# Altium PCB PCB3.PcbDoc (part 4 of 5)
Units mil, origin at the board's own origin, x right, y up, seen from the top; angles counter-clockwise.
Board outline 9836.17 x 5490 mil, 4 copper layers (Top Layer, Int1 (GND), Int2 (PWR), Bottom Layer), stack 53.912 mil thick; 236 components, 108 nets, 2793 pads, 569 vias.
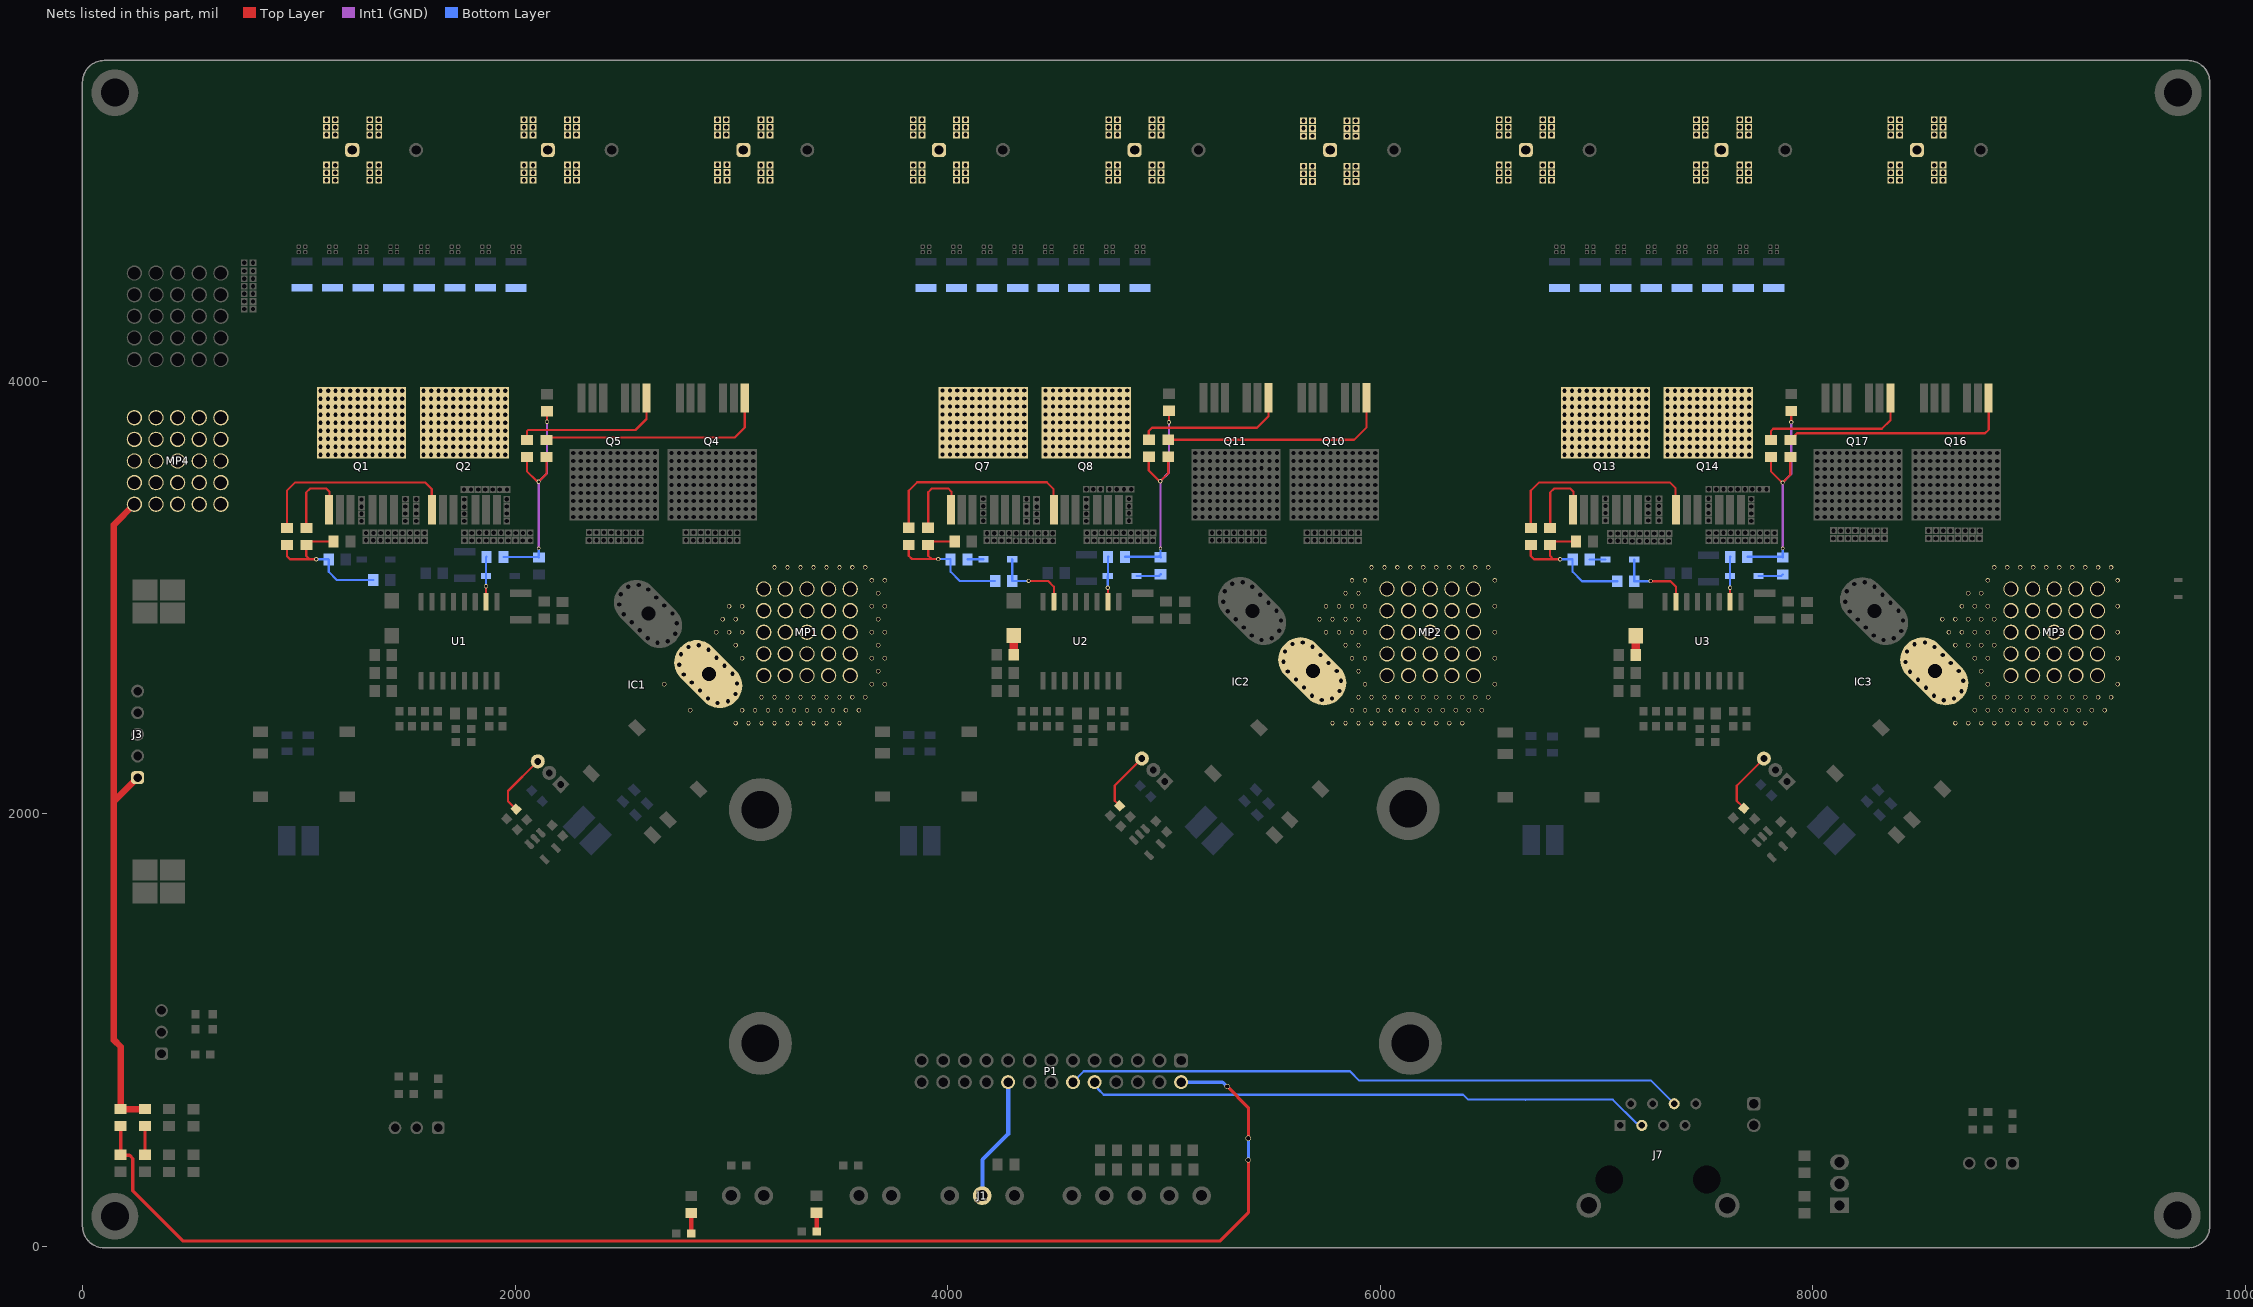
[diagram p6: the nets of this part, all layers, seen from the top]

## Via types
v1: diameter 20, hole 15, Top Layer to Bottom Layer, tented both sides, 212 vias
v2: diameter 19.68, hole 11.81, Top Layer to Bottom Layer, tented both sides, 183 vias
v3: diameter 19.68, hole 10, Top Layer to Bottom Layer, tented both sides, 59 vias
v4: diameter 25, hole 20, Top Layer to Bottom Layer, tented both sides, 48 vias
v5: diameter 23.62, hole 15.75, Top Layer to Bottom Layer, tented both sides, 32 vias
v6: diameter 30, hole 25, Top Layer to Bottom Layer, tented both sides, 24 vias
v7: diameter 30, hole 20, Top Layer to Bottom Layer, tented both sides, 4 vias
v8: diameter 15, hole 10, Top Layer to Bottom Layer, tented both sides, 3 vias
v9: diameter 19.68, hole 19.68, Top Layer to Bottom Layer, tented both sides, 2 vias
v10: diameter 40, hole 28, Top Layer to Bottom Layer, tented both sides, 1 vias
v11: diameter 40, hole 30, Top Layer to Bottom Layer, tented both sides, 1 vias

## Nets (pads, with @x,y where several pads share a name; then routed paths per layer and width w, separated by ;. In a path a pad name is that pad's centre, name@x,y a point inside that pad or via, vN(x,y) a via of type N, cw(c..) or ccw(c..) an arc to the next point about the centre after c; other vN are vias at no path point) (continued)
NetD4_C: D4.C R9.1 U1.10 | length 208.7
  Top Layer w10: v2(1866,3053) 1866,2981.45 U1.10@1866.23,2981.22
  Bottom Layer w10: v2(1866,3053) 1866,3099.86 D4.C@1865.86,3100 1865.86,3187.23 R9.1@1867.63,3189
NetD6_A: D6.A R16.1 | length 89
  Top Layer w40: D6.A@4305.5,2824.79 4305.66,2824.63 4305.66,2736.12 R16.1@4305.82,2735.96
NetD8_A: D8.A R22.1 | length 73.5
  Bottom Layer w10: R22.1@4092.87,3177.5 D8.A@4166.36,3177.5
NetD8_C: D8.C R20.1 U2.15 | length 374.8
  Top Layer w10: v2(4374.5,3077.5) 4465.5,3077.5 4491.73,3051.27 U2.15@4491.73,2981.72
  Bottom Layer w10: D8.C@4298.64,3177.5 4298.87,3177.27 R20.1@4298.87,3076.5 4373.5,3076.5 v2(4374.5,3077.5)
NetD9_A: D9.A R25.1 | length 115
  Bottom Layer w10: D9.A@4873.64,3100.5 4977.87,3100.5 R25.1@4985.5,3108.13
NetD9_C: D9.C R24.1 U2.10 | length 209
  Top Layer w10: v2(4741,3046) 4741.37,3045.63 4741.37,2982.09 U2.10@4741.73,2981.72
  Bottom Layer w10: v2(4741,3046) 4741,3100.14 D9.C@4741.36,3100.5 R24.1@4741.36,3187.73 R24.1@4743.13,3189.5
NetD11_A: D11.A R31.1 | length 89
  Top Layer w40: D11.A@7181.72,2824.29 7181.89,2824.13 7181.89,2735.62 R31.1@7182.05,2735.46
NetD13_A: D13.A R37.1 | length 73.5
  Bottom Layer w10: R37.1@6969.09,3177 D13.A@7042.58,3177
NetD13_C: D13.C R35.1 U3.15 | length 374.4
  Top Layer w10: v2@7250.72,3076 7342.72,3076 7367.96,3050.77 U3.15@7367.96,2981.22
  Bottom Layer w10: D13.C@7174.87,3177 7175.09,3176.77 R35.1@7175.09,3076 7249.72,3076 v2(7250.72,3077)
NetD14_A: D14.A R40.1 | length 115
  Bottom Layer w10: D14.A@7749.87,3100 7854.09,3100 R40.1@7861.72,3107.63
NetD14_C: D14.C R39.1 U3.10 | length 208.7
  Top Layer w10: U3.10@7617.96,2981.22 v2(7618,3046)
  Bottom Layer w10: v2(7618,3046) 7618,3099.58 D14.C@7617.58,3100 7617.58,3187.23 R39.1@7619.35,3189
NetJ7_3: J7.3 P1.10 | length 2623.1
  Bottom Layer w10: P1.10@4680,760 4680,745.13 4695.57,729.55 4695.57,728.43 4722,702 6384,702 6407,679 6672.5,679 ; 6672,678 6673,679 7076,679 7183.71,571.29 7187.51,571.29 7198.79,560 J7.3@7210,560
NetJ7_6: J7.6 P1.12 | length 2862.8
  Bottom Layer w10: P1.12@4580,760 4630,810 5861,810 5904,767 7253,767 J7.6@7360,660
NetLED1_1: LED1.1 R28.2 | length 86.3
  Top Layer w20: R28.2@3395,70 LED1.1@3395,156.26
NetLED2_1: LED2.1 R43.2 | length 95
  Top Layer w20: R43.2@2815,60 LED2.1@2815,155
NetPVDD_1: PVDD.1 R87.2 | length 132.9
  Top Layer w15: PVDD.1@288.7,423.96 R87.2@288.7,556.9
NetQ1_1: Q1.1 R46.2 | length 368.6
  Top Layer w10: R46.2@1035,3322.37 1035,3487 1053,3505 1127,3505 1142.27,3489.73 Q1.1@1142.27,3406.84
NetQ2_1: Q2.1 R47.2 | length 966.3
  Top Layer w10: R47.2@945.14,3322.37 945.14,3494.14 984,3533 1584,3533 1614.84,3502.16 1614.84,3408.48 Q2.1@1616.48,3406.84
NetQ4_1: Q4.1 R52.2 | length 1077.1
  Top Layer w10: R52.2@2145,3729.37 2155.63,3740 3015,3740 3062.27,3787.27 Q4.1@3062.27,3923.15
NetQ5_1: Q5.1 R53.2 | length 713.5
  Top Layer w10: R53.2@2055,3729.37 2055,3769.14 2060.86,3775 2557,3775 2608.11,3826.11 Q5.1@2608.11,3923.15
NetQ7_1: Q7.1 R59.2 | length 368.6
  Top Layer w10: R59.2@3910.5,3322.87 3910.5,3487.5 3928.5,3505.5 4002.5,3505.5 4017.77,3490.23 Q7.1@4017.77,3407.34
NetQ8_1: Q8.1 R60.2 | length 965.7
  Top Layer w10: R60.2@3820.64,3322.87 3820.64,3494.64 3859.5,3533.5 4458.5,3533.5 4490.34,3501.66 4490.34,3408.98 Q8.1@4491.98,3407.34
NetQ10_1: Q10.1 R65.2 | length 1077.1
  Top Layer w10: R65.2@5020.5,3729.87 5879.87,3729.87 5937.77,3787.77 Q10.1@5937.77,3923.65
NetQ11_1: Q11.1 R66.2 | length 707
  Top Layer w10: R66.2@4930.5,3729.87 4930.5,3770.5 4945.5,3785.5 5430.5,3785.5 5483.61,3838.61 Q11.1@5483.61,3923.65
NetQ13_1: Q13.1 R72.2 | length 368.6
  Top Layer w10: R72.2@6786.72,3322.37 6786.72,3487 6804.72,3505 6878.72,3505 6894,3489.73 Q13.1@6894,3406.84
NetQ14_1: Q14.1 R73.2 | length 968.3
  Top Layer w10: R73.2@6696.87,3322.37 6696.87,3494.14 6735.72,3533 7339,3533 7366.57,3505.43 7366.57,3408.48 Q14.1@7368.2,3406.84
NetQ16_1: Q16.1 R78.2 | length 1085.5
  Top Layer w10: R78.2@7896.72,3729.37 7900.66,3729.37 7919.28,3747.99 7919.28,3751.93 7927.35,3760 8797,3760 8814,3777 Q16.1@8814,3923.15
NetQ17_1: Q17.1 R79.2 | length 717.1
  Top Layer w10: R79.2@7806.72,3729.37 7806.72,3770 7817.72,3781 8320,3781 8359.83,3820.83 Q17.1@8359.83,3923.15
NetR58_1: IC1.3 R58.1 | length 293
  Top Layer w10: R58.1@2004.79,2022.21 1968,2059 1968,2105.9 IC1.3@2105.26,2243.16
NetR71_1: IC2.3 R71.1 | length 283.1
  Top Layer w10: R71.1@4797.7,2035.53 4772.91,2060.32 4772.91,2131.22 IC2.3@4898.16,2256.47
NetR84_1: IC3.3 R84.1 | length 283.1
  Top Layer w10: R84.1@7673.92,2035.03 7649.13,2059.82 7649.13,2130.72 IC3.3@7774.39,2255.97
PHASE_A: IC1.4 MP1.1
  other v1: 3020,2420 3080,2420 3140,2420 3200,2420 3260,2420 3320,2420 3380,2420 3440,2420 3500,2420 2810,2480 3050,2480 3110,2480 3170,2480 3230,2480 3290,2480 3350,2480 3410,2480 3470,2480 3530,2480 3590,2480 3140,2540 3200,2540 3260,2540 3320,2540 3380,2540 3440,2540 3500,2540 3560,2540 3620,2540 2690,2600 3650,2600 3710,2600 3680,2660 3050,2720 3650,2720 3710,2720 3020,2780 3680,2780 2930,2840 2990,2840 3050,2840 3650,2840 3710,2840 2960,2900 3020,2900 3680,2900 2990,2960 3050,2960 3650,2960 3710,2960 3680,3020 3650,3080 3710,3080 3200,3140 3260,3140 3320,3140 3380,3140 3440,3140 3500,3140 3560,3140 3620,3140
Phase_A_H: R4.2 R5.2 R7.2 R46.1 R47.1 | length 733.9
  Top Layer w10: R47.1@945.14,3243.63 945,3243.49 945,3193 960,3178 1050,3178 ; v2(1081,3178) 1050,3178 ; R4.2@1160.63,3259 1050.37,3259 R46.1@1035,3243.63 1035,3193 1050,3178
  Bottom Layer w10: v2(1081,3178) 1137.63,3178 R7.2@1138.63,3177 1138.63,3119.37 1176,3082 R5.2@1344.63,3082
Phase_A_L: R9.2 R10.2 R11.1 R52.1 R53.1 | length 1119.4
  Top Layer w10: R53.1@2055,3650.63 2055,3585 2099.16,3540.84 2101.54,3540.84 2106.38,3536 v2(2109,3536) 2145,3572 R52.1@2145,3650.63 ; v2(2148,3813) R11.1@2148,3862.26
  Int1 (GND) w10: v8(2110,3228) 2109.5,3228.5 2109.5,3535.5 v2(2109,3536) 2148,3575 v2(2148,3813)
  Bottom Layer w10: R9.2@1946.88,3188.49 2107.88,3188.49 R10.2@2110,3186.37 ; R10.2@2110,3192.86 v8(2110,3228)
PHASE_B: IC2.4 MP2.1
  other v1: 5780,2420 5840,2420 5900,2420 5960,2420 6020,2420 6080,2420 6140,2420 6200,2420 6260,2420 6320,2420 6380,2420 5870,2480 5930,2480 5990,2480 6050,2480 6110,2480 6170,2480 6230,2480 6290,2480 6350,2480 6410,2480 6470,2480 5900,2540 5960,2540 6020,2540 6080,2540 6140,2540 6200,2540 6260,2540 6320,2540 6380,2540 6440,2540 6500,2540 5930,2600 6530,2600 5900,2660 5870,2720 5930,2720 6530,2720 5840,2780 5900,2780 5750,2840 5810,2840 5870,2840 5930,2840 6530,2840 5720,2900 5780,2900 5840,2900 5900,2900 5750,2960 5810,2960 5870,2960 5930,2960 6530,2960 5840,3020 5900,3020 5870,3080 5930,3080 6530,3080 5960,3140 6020,3140 6080,3140 6140,3140 6200,3140 6260,3140 6320,3140 6380,3140 6440,3140 6500,3140
Phase_B_H: R19.2 R20.2 R22.2 R59.1 R60.1 | length 733.9
  Top Layer w10: R60.1@3820.64,3244.13 3820.5,3243.99 3820.5,3193.5 3835.5,3178.5 3925.5,3178.5 ; v2(3956.5,3178.5) 3925.5,3178.5 ; R19.2@4033.63,3259.5 3925.87,3259.5 R59.1@3910.5,3244.13 3910.5,3193.5 3925.5,3178.5
  Bottom Layer w10: v2(3956.5,3178.5) 4013.13,3178.5 R22.2@4014.13,3177.5 4014.13,3119.87 4057.5,3076.5 R20.2@4220.13,3076.5
Phase_B_L: R24.2 R25.2 R26.1 R65.1 R66.1 | length 1126.7
  Top Layer w10: R66.1@4930.5,3651.13 4930.5,3587.88 4980.38,3538 v2(4983,3538) 5020.5,3575.5 R65.1@5020.5,3651.13 ; v2(5023.64,3811.37) 5023.64,3864.27 R26.1@5024,3864.63
  Int1 (GND) w10: v8(4985,3228) 4984.04,3228.96 4984.04,3536.96 v2(4983,3538) 5023.64,3578.64 v2(5023.64,3811.37)
  Bottom Layer w10: R24.2@4821.87,3189.5 R25.2@4978.5,3189.5 ; R25.2@4979,3193.37 R25.2@4985.5,3186.87 4985,3187.37 v8(4985,3228)
PHASE_C: IC3.4 MP3.1
  other v1: 8660,2420 8720,2420 8780,2420 8840,2420 8900,2420 8960,2420 9020,2420 9080,2420 9140,2420 9200,2420 9260,2420 8750,2480 8810,2480 8870,2480 8930,2480 8990,2480 9050,2480 9110,2480 9170,2480 9230,2480 9290,2480 9350,2480 8780,2540 8840,2540 8900,2540 8960,2540 9020,2540 9080,2540 9140,2540 9200,2540 9260,2540 9320,2540 9380,2540 8810,2600 9410,2600 8780,2660 8750,2720 8810,2720 9410,2720 8660,2780 8720,2780 8780,2780 8840,2780 8630,2840 8690,2840 8750,2840 8810,2840 9410,2840 8600,2900 8660,2900 8720,2900 8780,2900 8840,2900 8690,2960 8750,2960 8810,2960 9410,2960 8720,3020 8780,3020 8810,3080 9410,3080 8840,3140 8900,3140 8960,3140 9020,3140 9080,3140 9140,3140 9200,3140 9260,3140 9320,3140 9380,3140
Phase_C_H: R34.2 R35.2 R37.2 R72.1 R73.1 | length 714.4
  Top Layer w10: R73.1@6696.87,3243.63 6696.72,3243.49 6696.72,3193 6711.72,3178 6801,3178 ; R72.1@6786,3243.63 6786,3193 6801,3178 ; R72.1@6786.72,3243.63 6802.09,3259 R34.2@6890.35,3259 ; v2(6832,3178) 6801.72,3178 6801,3178
  Bottom Layer w10: v2(6832,3178) 6889.35,3178 R37.2@6890.35,3177 6890.35,3119.37 6933.72,3076 R35.2@7096.35,3076
Phase_C_L: R39.2 R40.2 R41.1 R78.1 R79.1 | length 1129.6
  Top Layer w10: R79.1@7806.72,3650.63 7806.72,3585 7859.72,3532 v2(7861,3532) 7896.72,3567.72 R78.1@7896.72,3650.63 ; v2(7901,3812) R41.1@7901,3862.63
  Int1 (GND) w10: v8(7862,3228) 7861.5,3228.5 7861.5,3531.5 v2(7861,3532) 7901,3572 v2(7901,3812)
  Bottom Layer w10: R39.2@7698.09,3189 R40.2@7859.09,3189 ; R40.2@7861.72,3186.37 7862,3186.65 v8(7862,3228)
PVDD: C31.1 C32.1 C37.1 C43.1 C44.1 C45.1 C46.1 C47.1 C48.1 C49.1 C50.1 C53.1 C54.1 C55.1 C56.1 C57.1 C58.1 C59.1 C60.1 C63.1 C64.1 C65.1 C66.1 C67.1 C68.1 C69.1 C70.1 C79.1 C80.1 C81.1 C82.1 C83.1 C84.1 J3.5 MP4.1 pad.3@1101,3661 pad.3@1101,3698 pad.3@1101,3735 pad.3@1101,3772 pad.3@1101,3809 pad.3@1101,3846 pad.3@1101,3883 pad.3@1101,3920 pad.3@1128,4930 pad.3@1128,4965 pad.3@1128,5000 pad.3@1128,5140 pad.3@1128,5175 pad.3@1128,5210 pad.3@1135.36,3661 pad.3@1135.36,3698 pad.3@1135.36,3735 pad.3@1135.36,3772 pad.3@1135.36,3809 pad.3@1135.36,3846 pad.3@1135.36,3883 pad.3@1135.36,3920 pad.3@1136,3957 pad.3@1169,4930 pad.3@1169,4965 pad.3@1169,5000 pad.3@1169,5140 pad.3@1169,5175 pad.3@1169,5210 pad.3@1169.73,3661 pad.3@1169.73,3698 pad.3@1169.73,3735 pad.3@1169.73,3772 pad.3@1169.73,3809 pad.3@1169.73,3846 pad.3@1169.73,3883 pad.3@1169.73,3920 pad.3@1169.73,3957 pad.3@1204.09,3661 pad.3@1204.09,3698 pad.3@1204.09,3735 pad.3@1204.09,3772 pad.3@1204.09,3809 pad.3@1204.09,3846 pad.3@1204.09,3883 pad.3@1204.09,3920 pad.3@1204.09,3957 pad.3@1238.45,3661 pad.3@1238.45,3698 pad.3@1238.45,3735 pad.3@1238.45,3772 pad.3@1238.45,3809 pad.3@1238.45,3846 pad.3@1238.45,3883 pad.3@1238.45,3920 pad.3@1238.45,3957 pad.3@1272.82,3661 pad.3@1272.82,3698 pad.3@1272.82,3735 pad.3@1272.82,3772 pad.3@1272.82,3809 pad.3@1272.82,3846 pad.3@1272.82,3883 pad.3@1272.82,3920 pad.3@1272.82,3957 pad.3@1307.18,3661 pad.3@1307.18,3698 pad.3@1307.18,3735 pad.3@1307.18,3772 pad.3@1307.18,3809 pad.3@1307.18,3846 pad.3@1307.18,3883 pad.3@1307.18,3920 pad.3@1307.18,3957 pad.3@1328.72,4930 pad.3@1328.72,4965 pad.3@1328.72,5000 pad.3@1328.72,5140 pad.3@1328.72,5175 pad.3@1328.72,5210 pad.3@1341.55,3661 pad.3@1341.55,3698 pad.3@1341.55,3735 pad.3@1341.55,3772 pad.3@1341.55,3809 pad.3@1341.55,3846 pad.3@1341.55,3883 pad.3@1341.55,3920 pad.3@1341.55,3957 pad.3@1369.72,4930 pad.3@1369.72,4965 pad.3@1369.72,5000 pad.3@1369.72,5140 pad.3@1369.72,5175 pad.3@1369.72,5210 pad.3@1375.91,3661 pad.3@1375.91,3698 pad.3@1375.91,3735 pad.3@1375.91,3772 pad.3@1375.91,3809 pad.3@1375.91,3846 pad.3@1375.91,3883 pad.3@1375.91,3920 pad.3@1375.91,3957 pad.3@1410.27,3661 pad.3@1410.27,3698 pad.3@1410.27,3735 pad.3@1410.27,3772 pad.3@1410.27,3809 pad.3@1410.27,3846 pad.3@1410.27,3883 pad.3@1410.27,3920 pad.3@1410.27,3957 pad.3@1444.64,3661 pad.3@1444.64,3698 pad.3@1444.64,3735 pad.3@1444.64,3772 pad.3@1444.64,3809 pad.3@1444.64,3846 pad.3@1444.64,3883 pad.3@1444.64,3920 pad.3@1444.64,3957 pad.3@1479,3661 pad.3@1479,3698 pad.3@1479,3735 pad.3@1479,3772 pad.3@1479,3809 pad.3@1479,3846 pad.3@1479,3883 pad.3@1479,3920 pad.3@1479,3957 pad.3@1577.2,3661 pad.3@1577.2,3698 pad.3@1577.2,3735 pad.3@1577.2,3772 pad.3@1577.2,3809 pad.3@1577.2,3846 pad.3@1577.2,3883 pad.3@1577.2,3920 pad.3@1577.2,3957 pad.3@1611.57,3661 pad.3@1611.57,3698 pad.3@1611.57,3735 pad.3@1611.57,3772 pad.3@1611.57,3809 pad.3@1611.57,3846 pad.3@1611.57,3883 pad.3@1611.57,3920 pad.3@1612.2,3957 pad.3@1645.93,3661 pad.3@1645.93,3698 pad.3@1645.93,3735 pad.3@1645.93,3772 pad.3@1645.93,3809 pad.3@1645.93,3846 pad.3@1645.93,3883 pad.3@1645.93,3920 pad.3@1645.93,3957 pad.3@1680.29,3661 pad.3@1680.29,3698 pad.3@1680.29,3735 pad.3@1680.29,3772 pad.3@1680.29,3809 pad.3@1680.29,3846 pad.3@1680.29,3883 pad.3@1680.29,3920 pad.3@1680.29,3957 pad.3@1714.66,3661 pad.3@1714.66,3698 pad.3@1714.66,3735 pad.3@1714.66,3772 pad.3@1714.66,3809 pad.3@1714.66,3846 pad.3@1714.66,3883 pad.3@1714.66,3920 pad.3@1714.66,3957 pad.3@1749.02,3661 pad.3@1749.02,3698 pad.3@1749.02,3735 pad.3@1749.02,3772 pad.3@1749.02,3809 pad.3@1749.02,3846 pad.3@1749.02,3883 pad.3@1749.02,3920 pad.3@1749.02,3957 pad.3@1783.38,3661 pad.3@1783.38,3698 pad.3@1783.38,3735 pad.3@1783.38,3772 pad.3@1783.38,3809 pad.3@1783.38,3846 pad.3@1783.38,3883 pad.3@1783.38,3920 pad.3@1783.38,3957 pad.3@1817.75,3661 pad.3@1817.75,3698 pad.3@1817.75,3735 pad.3@1817.75,3772 pad.3@1817.75,3809 pad.3@1817.75,3846 pad.3@1817.75,3883 pad.3@1817.75,3920 pad.3@1817.75,3957 pad.3@1852.11,3661 pad.3@1852.11,3698 pad.3@1852.11,3735 pad.3@1852.11,3772 pad.3@1852.11,3809 pad.3@1852.11,3846 pad.3@1852.11,3883 pad.3@1852.11,3920 pad.3@1852.11,3957 pad.3@1886.48,3661 pad.3@1886.48,3698 pad.3@1886.48,3735 pad.3@1886.48,3772 pad.3@1886.48,3809 pad.3@1886.48,3846 pad.3@1886.48,3883 pad.3@1886.48,3920 pad.3@1886.48,3957 pad.3@1920.84,3661 pad.3@1920.84,3698 pad.3@1920.84,3735 pad.3@1920.84,3772 pad.3@1920.84,3809 pad.3@1920.84,3846 pad.3@1920.84,3883 pad.3@1920.84,3920 pad.3@1920.84,3957 pad.3@1955.2,3661 pad.3@1955.2,3698 pad.3@1955.2,3735 pad.3@1955.2,3772 pad.3@1955.2,3809 pad.3@1955.2,3846 pad.3@1955.2,3883 pad.3@1955.2,3920 pad.3@1955.2,3957 pad.3@2042,4930 pad.3@2042,4965 pad.3@2042,5000 pad.3@2042,5140 pad.3@2042,5175 pad.3@2042,5210 pad.3@2083,4930 pad.3@2083,4965 pad.3@2083,5000 pad.3@2083,5140 pad.3@2083,5175 pad.3@2083,5210 pad.3@2242.72,4930 pad.3@2242.72,4965 pad.3@2242.72,5000 pad.3@2242.72,5140 pad.3@2242.72,5175 pad.3@2242.72,5210 pad.3@2283.72,4930 pad.3@2283.72,4965 pad.3@2283.72,5000 pad.3@2283.72,5140 pad.3@2283.72,5175 pad.3@2283.72,5210 pad.3@2936,4930 pad.3@2936,4966 pad.3@2936,5002 pad.3@2936,5140 pad.3@2936,5175 pad.3@2936,5210 pad.3@2977,5140 pad.3@2977,5175 pad.3@2977,5210 pad.3@2980,4930 pad.3@2980,4966 pad.3@2980,5002 pad.3@3137.72,4930 pad.3@3137.72,4965 pad.3@3137.72,5000 pad.3@3137.72,5140 pad.3@3137.72,5175 pad.3@3137.72,5210 pad.3@3178.72,4930 pad.3@3178.72,4965 pad.3@3178.72,5000 pad.3@3178.72,5140 pad.3@3178.72,5175 pad.3@3178.72,5210 pad.3@3841,4930 pad.3@3841,4965 pad.3@3841,5000 pad.3@3841,5140 pad.3@3841,5175 pad.3@3841,5210 pad.3@3882,4930 pad.3@3882,4965 pad.3@3882,5000 pad.3@3882,5140 pad.3@3882,5175 pad.3@3882,5210 pad.3@3976.5,3661.5 pad.3@3976.5,3698.5 pad.3@3976.5,3735.5 pad.3@3976.5,3772.5 pad.3@3976.5,3809.5 pad.3@3976.5,3846.5 pad.3@3976.5,3883.5 pad.3@3976.5,3920.5 pad.3@3976.5,3957.5 pad.3@4010.86,3661.5 pad.3@4010.86,3698.5 pad.3@4010.86,3735.5 pad.3@4010.86,3772.5 pad.3@4010.86,3809.5 pad.3@4010.86,3846.5 pad.3@4010.86,3883.5 pad.3@4010.86,3920.5 pad.3@4011.5,3957.5 pad.3@4041.72,4930 pad.3@4041.72,4965 pad.3@4041.72,5000 pad.3@4041.72,5140 pad.3@4041.72,5175 pad.3@4041.72,5210 pad.3@4045.23,3661.5 pad.3@4045.23,3698.5 pad.3@4045.23,3735.5 pad.3@4045.23,3772.5 pad.3@4045.23,3809.5 pad.3@4045.23,3846.5 pad.3@4045.23,3883.5 pad.3@4045.23,3920.5 pad.3@4045.23,3957.5 pad.3@4079.59,3661.5 pad.3@4079.59,3698.5 pad.3@4079.59,3735.5 pad.3@4079.59,3772.5 pad.3@4079.59,3809.5 pad.3@4079.59,3846.5 pad.3@4079.59,3883.5 pad.3@4079.59,3920.5 pad.3@4079.59,3957.5 pad.3@4082.72,4930 pad.3@4082.72,4965 pad.3@4082.72,5000 pad.3@4082.72,5140 pad.3@4082.72,5175 pad.3@4082.72,5210 pad.3@4113.95,3661.5 pad.3@4113.95,3698.5 pad.3@4113.95,3735.5 pad.3@4113.95,3772.5 pad.3@4113.95,3809.5 pad.3@4113.95,3846.5 pad.3@4113.95,3883.5 pad.3@4113.95,3920.5 pad.3@4113.95,3957.5 pad.3@4148.32,3661.5 pad.3@4148.32,3698.5 pad.3@4148.32,3735.5 pad.3@4148.32,3772.5 pad.3@4148.32,3809.5 pad.3@4148.32,3846.5 pad.3@4148.32,3883.5 pad.3@4148.32,3920.5 pad.3@4148.32,3957.5 pad.3@4182.68,3661.5 pad.3@4182.68,3698.5 pad.3@4182.68,3735.5 pad.3@4182.68,3772.5 pad.3@4182.68,3809.5 pad.3@4182.68,3846.5 pad.3@4182.68,3883.5 pad.3@4182.68,3920.5 pad.3@4182.68,3957.5 pad.3@4217.05,3661.5 pad.3@4217.05,3698.5 pad.3@4217.05,3735.5 pad.3@4217.05,3772.5 pad.3@4217.05,3809.5 pad.3@4217.05,3846.5 pad.3@4217.05,3883.5 pad.3@4217.05,3920.5 pad.3@4217.05,3957.5 pad.3@4251.41,3661.5 pad.3@4251.41,3698.5 pad.3@4251.41,3735.5 pad.3@4251.41,3772.5 pad.3@4251.41,3809.5 pad.3@4251.41,3846.5 pad.3@4251.41,3883.5 pad.3@4251.41,3920.5 pad.3@4251.41,3957.5 pad.3@4285.77,3661.5 pad.3@4285.77,3698.5 pad.3@4285.77,3735.5 pad.3@4285.77,3772.5 pad.3@4285.77,3809.5 pad.3@4285.77,3846.5 pad.3@4285.77,3883.5 pad.3@4285.77,3920.5 pad.3@4285.77,3957.5 pad.3@4320.14,3661.5 pad.3@4320.14,3698.5 pad.3@4320.14,3735.5 pad.3@4320.14,3772.5 pad.3@4320.14,3809.5 pad.3@4320.14,3846.5 pad.3@4320.14,3883.5 pad.3@4320.14,3920.5 pad.3@4320.14,3957.5 pad.3@4354.5,3661.5 pad.3@4354.5,3698.5 pad.3@4354.5,3735.5 pad.3@4354.5,3772.5 pad.3@4354.5,3809.5 pad.3@4354.5,3846.5 pad.3@4354.5,3883.5 pad.3@4354.5,3920.5 pad.3@4354.5,3957.5 pad.3@4452.7,3661.5 pad.3@4452.7,3698.5 pad.3@4452.7,3735.5 pad.3@4452.7,3772.5 pad.3@4452.7,3809.5 pad.3@4452.7,3846.5 pad.3@4452.7,3883.5 pad.3@4452.7,3920.5 pad.3@4452.7,3957.5 pad.3@4487.07,3661.5 pad.3@4487.07,3698.5 pad.3@4487.07,3735.5 pad.3@4487.07,3772.5 pad.3@4487.07,3809.5 pad.3@4487.07,3846.5 pad.3@4487.07,3883.5 pad.3@4487.07,3920.5 pad.3@4487.7,3957.5 pad.3@4521.43,3661.5 pad.3@4521.43,3698.5 pad.3@4521.43,3735.5 pad.3@4521.43,3772.5 pad.3@4521.43,3809.5 pad.3@4521.43,3846.5 pad.3@4521.43,3883.5 pad.3@4521.43,3920.5 pad.3@4521.43,3957.5 pad.3@4555.79,3661.5 pad.3@4555.79,3698.5 pad.3@4555.79,3735.5 pad.3@4555.79,3772.5 pad.3@4555.79,3809.5 pad.3@4555.79,3846.5 pad.3@4555.79,3883.5 pad.3@4555.79,3920.5 pad.3@4555.79,3957.5 pad.3@4590.16,3661.5 pad.3@4590.16,3698.5 pad.3@4590.16,3735.5 pad.3@4590.16,3772.5 pad.3@4590.16,3809.5 pad.3@4590.16,3846.5 pad.3@4590.16,3883.5 pad.3@4590.16,3920.5 pad.3@4590.16,3957.5 pad.3@4624.52,3661.5 pad.3@4624.52,3698.5 pad.3@4624.52,3735.5 pad.3@4624.52,3772.5 pad.3@4624.52,3809.5 pad.3@4624.52,3846.5 pad.3@4624.52,3883.5 pad.3@4624.52,3920.5 pad.3@4624.52,3957.5 pad.3@4658.89,3661.5 pad.3@4658.89,3698.5 pad.3@4658.89,3735.5 pad.3@4658.89,3772.5 pad.3@4658.89,3809.5 pad.3@4658.89,3846.5 pad.3@4658.89,3883.5 pad.3@4658.89,3920.5 pad.3@4658.89,3957.5 pad.3@4693.25,3661.5 pad.3@4693.25,3698.5 pad.3@4693.25,3735.5 pad.3@4693.25,3772.5 pad.3@4693.25,3809.5 pad.3@4693.25,3846.5 pad.3@4693.25,3883.5 pad.3@4693.25,3920.5 pad.3@4693.25,3957.5 pad.3@4727.61,3661.5 pad.3@4727.61,3698.5 pad.3@4727.61,3735.5 pad.3@4727.61,3772.5 pad.3@4727.61,3809.5 pad.3@4727.61,3846.5 pad.3@4727.61,3883.5 pad.3@4727.61,3920.5 pad.3@4727.61,3957.5 pad.3@4745.28,4930 pad.3@4745.28,4965 pad.3@4745.28,5000 pad.3@4745.28,5140 pad.3@4745.28,5175 pad.3@4745.28,5210 pad.3@4761.98,3661.5 pad.3@4761.98,3698.5 pad.3@4761.98,3735.5 pad.3@4761.98,3772.5 pad.3@4761.98,3809.5 pad.3@4761.98,3846.5 pad.3@4761.98,3883.5 pad.3@4761.98,3920.5 pad.3@4761.98,3957.5 pad.3@4786.28,4930 pad.3@4786.28,4965 pad.3@4786.28,5000 pad.3@4786.28,5140 pad.3@4786.28,5175 pad.3@4786.28,5210 pad.3@4796.34,3661.5 pad.3@4796.34,3698.5 pad.3@4796.34,3735.5 pad.3@4796.34,3772.5 pad.3@4796.34,3809.5 pad.3@4796.34,3846.5 pad.3@4796.34,3883.5 pad.3@4796.34,3920.5 pad.3@4796.34,3957.5 pad.3@4830.7,3661.5 pad.3@4830.7,3698.5 pad.3@4830.7,3735.5 pad.3@4830.7,3772.5 pad.3@4830.7,3809.5 pad.3@4830.7,3846.5 pad.3@4830.7,3883.5 pad.3@4830.7,3920.5 pad.3@4830.7,3957.5 pad.3@4946,4930 pad.3@4946,4965 pad.3@4946,5000 pad.3@4946,5140 pad.3@4946,5175 pad.3@4946,5210 pad.3@4987,4930 pad.3@4987,4965 pad.3@4987,5000 pad.3@4987,5140 pad.3@4987,5175 pad.3@4987,5210 pad.3@5646.28,4925 pad.3@5646.28,4960 pad.3@5646.28,4995 pad.3@5646.28,5135 pad.3@5646.28,5170 pad.3@5646.28,5205 pad.3@5687.28,4925 pad.3@5687.28,4960 pad.3@5687.28,4995 pad.3@5687.28,5135 pad.3@5687.28,5170 pad.3@5687.28,5205 pad.3@5847,4925 pad.3@5847,4960 pad.3@5847,4995 pad.3@5847,5135 pad.3@5847,5170 pad.3@5847,5205 pad.3@5888,4925 pad.3@5888,4960 pad.3@5888,4995 pad.3@5888,5135 pad.3@5888,5170 pad.3@5888,5205 pad.3@6551.28,4930 pad.3@6551.28,4965 pad.3@6551.28,5000 pad.3@6551.28,5140 pad.3@6551.28,5175 pad.3@6551.28,5210 pad.3@6592.28,4930 pad.3@6592.28,4965 pad.3@6592.28,5000 pad.3@6592.28,5140 pad.3@6592.28,5175 pad.3@6592.28,5210 pad.3@6752,4930 pad.3@6752,4965 pad.3@6752,5000 pad.3@6752,5140 pad.3@6752,5175 pad.3@6752,5210 pad.3@6793,4930 pad.3@6793,4965 pad.3@6793,5000 pad.3@6793,5140 pad.3@6793,5175 pad.3@6793,5210 pad.3@6852.72,3661 pad.3@6852.72,3698 pad.3@6852.72,3735 pad.3@6852.72,3772 pad.3@6852.72,3809 pad.3@6852.72,3846 pad.3@6852.72,3883 pad.3@6852.72,3920 pad.3@6852.72,3957 pad.3@6887.09,3661 pad.3@6887.09,3698 pad.3@6887.09,3735 pad.3@6887.09,3772 pad.3@6887.09,3809 pad.3@6887.09,3846 pad.3@6887.09,3883 pad.3@6887.09,3920 pad.3@6887.72,3957 pad.3@6921.45,3661 pad.3@6921.45,3698 pad.3@6921.45,3735 pad.3@6921.45,3772 pad.3@6921.45,3809 pad.3@6921.45,3846 pad.3@6921.45,3883 pad.3@6921.45,3920 pad.3@6921.45,3957 pad.3@6955.81,3661 pad.3@6955.81,3698 pad.3@6955.81,3735 pad.3@6955.81,3772 pad.3@6955.81,3809 pad.3@6955.81,3846 pad.3@6955.81,3883 pad.3@6955.81,3920 pad.3@6955.81,3957 pad.3@6990.18,3661 pad.3@6990.18,3698 pad.3@6990.18,3735 pad.3@6990.18,3772 pad.3@6990.18,3809 pad.3@6990.18,3846 pad.3@6990.18,3883 pad.3@6990.18,3920 pad.3@6990.18,3957 pad.3@7024.54,3661 pad.3@7024.54,3698 pad.3@7024.54,3735 pad.3@7024.54,3772 pad.3@7024.54,3809 pad.3@7024.54,3846 pad.3@7024.54,3883 pad.3@7024.54,3920 pad.3@7024.54,3957 pad.3@7058.91,3661 pad.3@7058.91,3698 pad.3@7058.91,3735 pad.3@7058.91,3772 pad.3@7058.91,3809 pad.3@7058.91,3846 pad.3@7058.91,3883 pad.3@7058.91,3920 pad.3@7058.91,3957 pad.3@7093.27,3661 pad.3@7093.27,3698 pad.3@7093.27,3735 pad.3@7093.27,3772 pad.3@7093.27,3809 pad.3@7093.27,3846 pad.3@7093.27,3883 pad.3@7093.27,3920 pad.3@7093.27,3957 pad.3@7127.63,3661 pad.3@7127.63,3698 pad.3@7127.63,3735 pad.3@7127.63,3772 pad.3@7127.63,3809 pad.3@7127.63,3846 pad.3@7127.63,3883 pad.3@7127.63,3920 pad.3@7127.63,3957 pad.3@7162,3661 pad.3@7162,3698 pad.3@7162,3735 pad.3@7162,3772 pad.3@7162,3809 pad.3@7162,3846 pad.3@7162,3883 pad.3@7162,3920 pad.3@7162,3957 pad.3@7196.36,3661 pad.3@7196.36,3698 pad.3@7196.36,3735 pad.3@7196.36,3772 pad.3@7196.36,3809 pad.3@7196.36,3846 pad.3@7196.36,3883 pad.3@7196.36,3920 pad.3@7196.36,3957 pad.3@7230.72,3661 pad.3@7230.72,3698 pad.3@7230.72,3735 pad.3@7230.72,3772 pad.3@7230.72,3809 pad.3@7230.72,3846 pad.3@7230.72,3883 pad.3@7230.72,3920 pad.3@7230.72,3957 pad.3@7328.93,3661 pad.3@7328.93,3698 pad.3@7328.93,3735 pad.3@7328.93,3772 pad.3@7328.93,3809 pad.3@7328.93,3846 pad.3@7328.93,3883 pad.3@7328.93,3920 pad.3@7328.93,3957 pad.3@7363.29,3661 pad.3@7363.29,3698 pad.3@7363.29,3735 pad.3@7363.29,3772 pad.3@7363.29,3809 pad.3@7363.29,3846 pad.3@7363.29,3883 pad.3@7363.29,3920 pad.3@7363.93,3957 pad.3@7397.65,3661 pad.3@7397.65,3698 pad.3@7397.65,3735 pad.3@7397.65,3772 pad.3@7397.65,3809 pad.3@7397.65,3846 pad.3@7397.65,3883 pad.3@7397.65,3920 pad.3@7397.65,3957 pad.3@7432.02,3661 pad.3@7432.02,3698 pad.3@7432.02,3735 pad.3@7432.02,3772 pad.3@7432.02,3809 pad.3@7432.02,3846 pad.3@7432.02,3883 pad.3@7432.02,3920 pad.3@7432.02,3957 pad.3@7462.28,4930 pad.3@7462.28,4965 pad.3@7462.28,5000 pad.3@7462.28,5140 pad.3@7462.28,5175 pad.3@7462.28,5210 pad.3@7466.38,3661 pad.3@7466.38,3698 pad.3@7466.38,3735 pad.3@7466.38,3772 pad.3@7466.38,3809 pad.3@7466.38,3846 pad.3@7466.38,3883 pad.3@7466.38,3920 pad.3@7466.38,3957 pad.3@7500.75,3661 pad.3@7500.75,3698 pad.3@7500.75,3735 pad.3@7500.75,3772 pad.3@7500.75,3809 pad.3@7500.75,3846 pad.3@7500.75,3883 pad.3@7500.75,3920 pad.3@7500.75,3957 pad.3@7503.28,4930 pad.3@7503.28,4965 pad.3@7503.28,5000 pad.3@7503.28,5140 pad.3@7503.28,5175 pad.3@7503.28,5210 pad.3@7535.11,3661 pad.3@7535.11,3698 pad.3@7535.11,3735 pad.3@7535.11,3772 pad.3@7535.11,3809 pad.3@7535.11,3846 pad.3@7535.11,3883 pad.3@7535.11,3920 pad.3@7535.11,3957 pad.3@7569.47,3661 pad.3@7569.47,3698 pad.3@7569.47,3735 pad.3@7569.47,3772 pad.3@7569.47,3809 pad.3@7569.47,3846 pad.3@7569.47,3883 pad.3@7569.47,3920 pad.3@7569.47,3957 pad.3@7603.84,3661 pad.3@7603.84,3698 pad.3@7603.84,3735 pad.3@7603.84,3772 pad.3@7603.84,3809 pad.3@7603.84,3846 pad.3@7603.84,3883 pad.3@7603.84,3920 pad.3@7603.84,3957 pad.3@7638.2,3661 pad.3@7638.2,3698 pad.3@7638.2,3735 pad.3@7638.2,3772 pad.3@7638.2,3809 pad.3@7638.2,3846 pad.3@7638.2,3883 pad.3@7638.2,3920 pad.3@7638.2,3957 pad.3@7663,4930 pad.3@7663,4965 pad.3@7663,5000 pad.3@7663,5140 pad.3@7663,5175 pad.3@7663,5210 pad.3@7672.56,3661 pad.3@7672.56,3698 pad.3@7672.56,3735 pad.3@7672.56,3772 pad.3@7672.56,3809 pad.3@7672.56,3846 pad.3@7672.56,3883 pad.3@7672.56,3920 pad.3@7672.56,3957 pad.3@7704,4930 pad.3@7704,4965 pad.3@7704,5000 pad.3@7704,5140 pad.3@7704,5175 pad.3@7704,5210 pad.3@7706.93,3661 pad.3@7706.93,3698 pad.3@7706.93,3735 pad.3@7706.93,3772 pad.3@7706.93,3809 pad.3@7706.93,3846 pad.3@7706.93,3883 pad.3@7706.93,3920 pad.3@7706.93,3957 pad.3@8361.28,4930 pad.3@8361.28,4965 pad.3@8361.28,5000 pad.3@8361.28,5140 pad.3@8361.28,5175 pad.3@8361.28,5210 pad.3@8402.28,4930 pad.3@8402.28,4965 pad.3@8402.28,5000 pad.3@8402.28,5140 pad.3@8402.28,5175 pad.3@8402.28,5210 pad.3@8562,4930 pad.3@8562,4965 pad.3@8562,5000 pad.3@8562,5140 pad.3@8562,5175 pad.3@8562,5210 pad.3@8603,4930 pad.3@8603,4965 pad.3@8603,5000 pad.3@8603,5140 pad.3@8603,5175 pad.3@8603,5210 pad.@1101,3957 Q1.4 Q2.4 Q7.4 Q8.4 Q13.4 Q14.4 R15.1 R87.1 | length 3119.2